# KiCad board 8851_HW-U1-VCU118_REV2-0_071417.kicad_pcb (continued)
## Routing (per net, layer and track width the routed paths; a pad name or vN(x,y) marks a point on that pad's centre or on a via; arc(x,y) is an arc through that point) (continued)
  18_SIG6 w0.087: v3(118.34,23.68) 117.69,23.03 111.46,23.03 109.86,24.63 108.42,24.63 107.94,25.11 104.4,25.11 102.13,27.39 102.13,29.1 100.71,30.51 100.47,30.51 99.81,29.85 99.57,29.85 99.21,30.21 99.21,30.45 99.87,31.11 99.87,31.35 99.72,31.51 99.72,32.65 99.15,33.22 99.15,57.14 99.44,57.42 99.85,57.42 100.12,57.69 100.12,57.69 100.13,57.71 100.13,58.12 100.42,58.41 100.83,58.41 101.12,58.7 101.12,60.09 101.41,60.38 101.82,60.38 102.1,60.67 102.1,62.06 102.39,62.35 103.78,62.35 104.07,62.63 104.07,63.04 104.36,63.33 104.77,63.33 105.06,63.62 105.06,64.03 106.14,65.11 106.14,68 105.94,68.2 105.94,69 105.72,69.22 105.38,69.22 105.16,69.45 105.16,71.1 v2(104.56,71.7)
  BOTTOM w0.15: 228.23,79.83 v3(228.23,78.62)
PMOD1_2: length 13.4
  05_SIG2 w0.17: v3(226.96,88.02) 227.47,88.02 227.64,87.86 227.64,83.92 227.91,83.65 229.73,83.65 229.93,83.85 229.93,84.91 230.19,85.17 232.3,85.17
  BOTTOM w0.15: v3(226.96,88.02) 227.59,87.39 227.59,85.58
PMOD1_2_LS: length 254.4
  TOP w0.15: 106.04,71.2 v2(105.55,71.7)
  14_SIG4 w0.087: v3(117.32,25.42) 118.28,25.42 118.32,25.46 118.39,25.53 118.4,25.53 118.7,25.82 119.3,25.82 120.22,26.75 127.42,26.75 129.51,24.66 131.03,24.66 135.43,20.25 138.39,20.25 142.81,15.83 155.01,15.83 157.6,18.43 159.72,18.43 160.51,17.64 163.22,17.64 167.67,22.09 168.42,22.09 168.67,21.85 170.56,21.85 171.36,22.65 174.32,22.65 175.97,24.3 175.97,27.57 179.24,30.84 179.24,33.3 179.24,33.3 179.24,42.32 179.24,42.32 179.24,42.66 177.6,44.3 177.6,49.07 178.47,49.95 178.47,51.26 177.44,52.3 177.44,58.62 178.88,60.06 178.88,60.89 179.62,61.64 179.62,63.4 181.29,65.07 181.29,66.44 192.32,77.48 194.41,77.48 194.58,77.3 194.58,76.15 194.72,76.02 195.19,76.02 195.32,76.14 195.32,77.62 195.44,77.74 195.81,77.74 195.93,77.62 195.93,76.14 196.05,76.02 196.42,76.02 196.54,76.14 196.54,77.62 196.66,77.74 197.03,77.74 197.15,77.62 197.15,76.14 197.28,76.02 197.64,76.02 197.77,76.14 197.77,77.62 197.89,77.74 198.26,77.74 198.38,77.62 198.38,76.14 198.5,76.02 207.69,76.02 208.97,77.3 211.63,77.3 211.76,77.43 211.76,77.5 212.05,77.79 212.45,77.79 212.94,77.3 213.6,77.3 213.96,76.95 215.43,76.95 216.11,77.63 226.45,77.63 v3(226.96,77.12)
  18_SIG6 w0.087: v3(117.32,25.42) 116.36,26.37 112.21,26.37 111.82,26.76 111.82,27 112.29,27.46 112.29,28.34 112.17,28.46 111.71,28.46 111.51,28.26 111.51,27.88 111.22,27.6 110.98,27.6 110.62,27.96 110.62,28.2 110.99,28.57 110.99,28.83 110.63,29.19 110.41,29.19 110.09,28.87 109.78,28.87 109.36,29.29 109.36,29.47 109.56,29.66 109.92,29.66 110.09,29.83 110.09,30.18 109.91,30.36 109.32,30.36 109.17,30.51 109.17,30.83 109.35,31.01 109.9,31.01 110.07,31.18 110.07,31.46 109.61,31.92 109.38,31.92 108.85,31.39 108.55,31.39 108.37,31.56 108.37,31.89 109.18,32.69 109.18,33.75 109,33.92 108.76,33.92 108.62,33.78 108.38,33.78 108.14,34.02 108.14,34.26 108.28,34.4 108.28,34.64 108.04,34.88 107.8,34.88 107.66,34.74 107.42,34.74 107.18,34.98 107.18,35.22 107.32,35.37 107.32,35.61 107.08,35.85 106.84,35.85 106.7,35.71 106.46,35.71 106.21,35.95 106.21,36.19 106.36,36.33 106.36,36.57 106.12,36.81 105.88,36.81 105.73,36.67 105.49,36.67 105.25,36.91 105.25,37.15 105.39,37.29 105.39,37.53 105.15,37.77 104.91,37.77 104.77,37.63 104.53,37.63 104.29,37.87 104.29,38.11 104.43,38.25 104.43,38.49 104.19,38.73 103.95,38.73 103.81,38.59 103.57,38.59 103.33,38.83 103.33,39.07 103.47,39.21 103.47,39.45 103.35,39.58 103.35,39.85 103.45,39.95 103.65,39.95 103.77,40.07 103.77,40.55 103.6,40.72 103.26,40.72 103.09,40.89 103.09,49.26 102.8,49.55 102.41,49.55 102.2,49.75 102.2,55.31 102.35,55.46 102.85,55.46 103.09,55.7 103.09,56.15 103.38,56.44 103.78,56.44 104.07,56.73 104.07,59.98 104.17,60.07 104.17,61.04 104.39,61.26 104.85,61.26 105.16,61.57 105.16,62.03 105.37,62.25 105.82,62.25 106.14,62.57 106.14,63.01 106.36,63.23 106.8,63.23 107.12,63.55 107.12,64.04 108.11,65.02 108.11,69.2 108.01,69.3 108.01,69.93 107.72,70.22 107.31,70.22 107.02,70.51 107.02,70.92 106.74,71.2 106.04,71.2 v2(105.55,71.7)
  BOTTOM w0.15: v3(226.96,77.12) 227.59,77.76 227.59,79.83
PMOD1_3: length 12.6
  05_SIG2 w0.17: v3(226.96,86.77) 226.96,84.44 226.72,84.2 225.99,84.2 225.82,84.03 225.82,82.87 226.02,82.67 232.3,82.67
  BOTTOM w0.15: 226.96,85.58 v3(226.96,86.77)
PMOD1_3_LS: length 257.4
  TOP w0.15: 107.02,71.2 v2(106.53,71.7)
  14_SIG4 w0.087: v3(118.97,27.06) 119.74,27.82 132.45,27.82 137.69,22.59 137.69,22.34 142.38,17.65 154.94,17.65 158,20.71 158.81,20.71 159.09,20.43 159.75,20.43 160.59,21.26 162.34,21.26 163.28,22.21 166.42,22.21 168.08,23.86 170.2,23.86 178.24,31.9 178.24,41.51 178.24,42.09 175.8,44.54 175.8,47.95 175.71,48.04 175.34,48.04 175.25,48.13 175.25,48.48 175.34,48.57 175.71,48.57 175.8,48.65 175.8,49 175.71,49.09 175.34,49.09 175.25,49.18 175.25,49.53 175.34,49.62 175.71,49.62 175.8,49.7 175.8,50.32 175.99,50.51 175.99,50.97 176.37,51.35 176.37,64.87 179.08,67.57 180.76,67.57 192.11,78.92 193.13,78.92 193.25,79.05 193.25,80.23 193.38,80.35 193.74,80.35 193.87,80.23 193.87,79.05 193.99,78.92 194.36,78.92 194.48,79.05 194.48,80.23 194.6,80.35 194.97,80.35 195.09,80.23 195.09,79.05 195.21,78.92 195.58,78.92 195.7,79.05 195.7,80.23 195.83,80.35 196.19,80.35 196.32,80.23 196.32,79.05 196.44,78.92 196.81,78.92 196.93,79.05 196.93,80.23 197.05,80.35 197.42,80.35 197.54,80.23 197.54,79.05 197.66,78.92 198.03,78.92 198.15,79.05 198.15,80.23 198.28,80.35 198.64,80.35 198.77,80.23 198.77,79.05 198.89,78.92 209.89,78.92 210.02,79.05 210.43,79.05 210.56,78.92 223.3,78.92 223.82,79.45 224.65,79.45 225.03,79.08 225.03,78.55 225.45,78.13 226.46,78.13 v3(226.96,78.62)
  18_SIG6 w0.087: v3(118.97,27.06) 118.43,26.51 117.82,26.51 117,27.33 117,28.05 116.62,28.43 114.75,28.43 112.9,30.27 112.9,32.63 112.64,32.89 112.64,36.12 112.46,36.3 112.22,36.3 111.06,35.14 110.82,35.14 110.46,35.5 110.46,35.74 111.62,36.91 111.62,37.15 111.26,37.51 111.02,37.51 109.85,36.34 109.61,36.34 109.25,36.71 109.25,36.95 110.42,38.11 110.42,38.35 110.05,38.71 109.81,38.71 108.65,37.55 108.41,37.55 108.05,37.91 108.05,38.15 109.21,39.31 109.21,39.55 108.85,39.91 108.61,39.91 107.45,38.75 107.21,38.75 106.85,39.11 106.85,39.35 108.01,40.51 108.01,40.75 107.3,41.46 105.39,41.46 105.06,41.8 105.06,51.23 104.77,51.52 103.35,51.52 103.19,51.68 103.19,54.28 103.38,54.47 105.75,54.47 106.04,54.76 106.04,61.07 106.33,61.36 106.74,61.36 107.02,61.65 107.02,62.06 107.31,62.35 109.69,62.35 109.98,62.63 109.98,70.92 109.69,71.2 107.02,71.2 v2(106.53,71.7)
  BOTTOM w0.15: 226.96,79.83 v3(226.96,78.62)
PMOD1_4:
  vias: v3(232.12,92.92) v3(232.12,92.05) v3(233,92.92) v3(233,92.05)
PMOD1_4_LS: length 257.7
  TOP w0.15: v2(106.53,70.71) 107.02,70.22
  14_SIG4 w0.087: v3(116.59,25.37) 116.62,25.37 117.31,24.68 118.78,24.68 120.37,23.08 126.6,23.08 127.1,23.58 130.7,23.58 132.03,22.25 132.03,19.5 132.48,19.04 136.32,19.04 137.37,17.99 137.37,15.68 138.13,14.93 139.03,14.93 139.27,15.17 139.27,16.11 139.44,16.28 140.61,16.28 140.85,16.04 140.85,15.2 141.14,14.91 155.91,14.91 157.02,16.02 159.82,16.02 160.45,16.65 165.12,16.65 165.86,17.39 170.47,17.39 177.11,24.03 177.11,25.57 180.23,28.69 180.23,32.63 180.23,42.26 181.18,43.21 181.18,45.2 179.99,46.38 179.99,47.58 180.23,47.81 180.23,54.16 180.65,54.59 180.65,58.72 180.89,58.96 180.89,61.06 189.93,70.1 193.1,70.1 193.23,70.22 193.23,72.58 193.35,72.71 193.72,72.71 193.84,72.58 193.84,70.22 193.96,70.1 194.33,70.1 194.45,70.22 194.45,71.98 194.61,72.13 194.94,72.13 195.06,72.01 195.06,70.22 195.19,70.1 196.16,70.1 200.88,74.83 213.41,74.83 213.53,74.95 213.53,75.26 213.65,75.38 214.02,75.38 214.14,75.26 214.14,74.95 214.26,74.83 214.63,74.83 214.75,74.95 214.75,75.37 214.88,75.49 215.24,75.49 215.37,75.37 215.37,74.95 215.49,74.83 215.74,74.83 217.54,76.62 225.18,76.62 v3(225.68,77.12)
  18_SIG6 w0.087: v3(116.59,25.37) 116.18,25.79 115.96,25.79 115.79,25.62 115.79,24.96 115.62,24.79 115.11,24.79 114.94,24.96 114.94,25.62 114.77,25.79 111.81,25.79 109.46,28.14 108.85,28.14 108.54,28.44 108.54,29.18 108.36,29.36 108.07,29.36 107.85,29.14 107.85,28.42 107.65,28.22 107.3,28.22 107.09,28.42 107.09,29.02 107.56,29.48 107.56,33.82 107.29,34.09 107.03,34.09 106.85,33.91 106.85,33.25 106.73,33.13 105.41,33.13 105.07,33.47 103.2,33.47 103.03,33.63 103.03,33.88 103.2,34.05 105.39,34.05 105.55,34.21 105.55,34.55 105.37,34.73 103.2,34.73 103.03,34.9 103.03,35.24 103.2,35.41 105.39,35.41 105.55,35.57 105.55,35.91 105.37,36.09 103.2,36.09 103.03,36.26 103.03,36.6 103.2,36.77 103.88,36.77 104.05,36.94 104.05,37.28 103.88,37.45 103.2,37.45 103.03,37.62 103.03,38.26 102.1,39.18 102.1,49.3 102,49.4 102,55.64 102.1,55.74 102.1,56.15 102.39,56.44 102.8,56.44 103.09,56.73 103.09,60.09 103.37,60.38 103.8,60.38 103.97,60.55 103.97,61.12 104.31,61.46 104.77,61.46 104.96,61.65 104.96,62.11 105.29,62.44 105.74,62.44 105.94,62.65 105.94,63.09 106.28,63.43 106.72,63.43 106.93,63.64 106.93,64.19 107.91,65.18 107.91,69.03 107.72,69.21 107.34,69.21 107.02,69.53 107.02,70.23 v2(106.53,70.71)
  BOTTOM w0.15: v3(225.68,77.12) 226.32,77.76 226.32,79.83
PMOD1_5_LS: length 254.5
  TOP w0.15: 104.07,72.19 v2(103.58,72.68)
  14_SIG4 w0.087: v3(225.68,78.62) 226.4,79.35 228.33,79.35 228.72,78.95 228.72,78.72 229.25,78.2 229.25,76.5 227.85,75.1 221.53,75.1 220.88,74.45 219.43,74.45 218.78,73.8 217.7,73.8 217.05,73.15 204.4,73.15 198.49,67.24 193.64,67.24 192.26,68.61 191.01,68.61 185.01,62.61 185.01,55.47 183.7,54.16 183.7,50.89 184.15,50.44 184.15,47.33 183.15,46.33 183.15,43.13 181.74,41.71 181.74,27.82 181.07,27.16 181.07,23.05 179.58,21.56 179.58,21.39 180.37,20.6 180.37,20.42 180.03,20.08 179.85,20.08 179.06,20.87 178.89,20.87 178.54,20.52 178.54,20.35 179.33,19.56 179.33,19.38 178.99,19.04 178.81,19.04 178.02,19.83 177.85,19.83 177.5,19.48 177.5,19.31 178.29,18.52 178.29,18.34 177.95,18 177.77,18 176.98,18.79 176.81,18.79 176.46,18.44 176.46,18.27 177.25,17.48 177.25,17.3 176.91,16.96 176.73,16.96 175.94,17.75 175.77,17.75 171.24,13.21 129.45,13.21 128.45,14.21 128.45,15.53 127.97,16 125.17,16 124,17.18 122.08,17.18 v3(116.85,22.4)
  18_SIG6 w0.087: v3(116.85,22.4) 116.77,22.48 111.13,22.48 109.52,24.08 108.2,24.08 107.71,24.57 103.74,24.57 98.17,30.14 98.17,57.14 98.45,57.42 98.86,57.42 99.15,57.71 99.15,58.12 99.44,58.41 99.85,58.41 100.13,58.7 100.13,60.13 100.37,60.37 100.41,60.37 100.42,60.38 100.83,60.38 101.12,60.67 101.12,62.06 101.41,62.35 101.82,62.35 102.1,62.63 102.1,63.04 102.39,63.33 103.78,63.33 104.07,63.62 104.07,64.03 105.19,65.14 105.61,65.14 105.94,65.48 105.94,67.07 105.74,67.27 105.34,67.27 105.06,67.55 105.06,69.06 104.96,69.16 104.96,70.93 104.71,71.18 104.36,71.18 104.07,71.47 104.07,72.19 v2(103.58,72.68)
  BOTTOM w0.15: 225.68,79.83 v3(225.68,78.62)
PMOD1_6: length 15.8
  03_SIG1 w0.17: v3(224.4,88.02) 225.04,87.38 225.04,86.58 227.64,83.97 233.6,83.97 234.8,85.17
  BOTTOM w0.15: 225.04,85.58 225.04,87.39 v3(224.4,88.02)
PMOD1_6_LS: length 254
  TOP w0.15: 105.06,72.19 v2(104.56,72.68)
  14_SIG4 w0.087: v3(119.02,25.18) 119.45,25.18 119.5,25.12 120.88,25.12 121.39,25.64 125.71,25.64 127.24,24.11 130.87,24.11 135.41,19.57 137.44,19.57 139.59,17.42 140.21,17.42 142.25,15.37 155.47,15.37 157.14,17.04 160.1,17.04 160.2,17.15 164.35,17.15 165.5,18.3 165.5,18.93 165.75,19.18 166.38,19.18 166.9,19.7 172.08,19.7 176.55,24.17 176.55,27.31 179.74,30.49 179.74,32.97 179.74,42.88 178.1,44.52 178.1,47.66 178.97,48.53 178.97,49.74 178.97,51.47 178.41,52.03 178.41,57.45 179.57,58.61 179.57,60.89 180,61.31 180.24,61.31 183.11,64.19 183.11,67.31 187.59,71.79 187.77,71.79 188.43,71.12 188.61,71.12 188.87,71.38 188.87,71.56 188.2,72.23 188.2,72.4 188.46,72.66 188.63,72.66 189.3,71.99 189.47,71.99 189.73,72.25 189.73,72.42 189.07,73.09 189.07,73.26 189.8,73.99 190.26,73.99 190.52,73.73 190.52,72.61 190.87,72.26 191.4,72.26 191.99,72.85 191.99,75.03 192.48,75.52 192.73,75.52 192.85,75.64 192.85,76.83 192.98,76.96 193.34,76.96 193.47,76.83 193.47,75.64 193.59,75.52 208.05,75.52 208.69,76.15 210.07,76.15 210.7,76.78 211.98,76.78 212.27,76.5 212.27,76.09 212.29,76.07 212.63,76.07 212.87,76.3 213.35,76.3 213.5,76.45 215.64,76.45 216.31,77.12 v3(224.4,77.12)
  18_SIG6 w0.087: v3(119.02,25.18) 118.1,25.18 117.05,24.12 114.96,24.12 113.87,25.21 111.58,25.21 109.22,27.57 105.97,27.57 105.01,28.52 105.01,29.31 105.21,29.52 106.79,29.52 107.01,29.74 107.01,30.03 106.79,30.25 105.73,30.25 105.59,30.39 105.59,30.7 105.82,30.93 106.8,30.93 106.94,31.07 106.94,31.5 106.79,31.65 105.77,31.65 105.52,31.9 105.52,32.32 105.39,32.45 104.89,32.45 104.75,32.31 104.75,30.59 104.61,30.45 104.03,30.45 103.84,30.65 103.84,31.71 103.63,31.92 103.22,31.92 103.05,31.75 103.05,31.17 102.86,30.98 102.35,30.98 102.18,31.15 102.18,32.84 102.46,33.12 102.46,38.06 101.12,39.4 101.12,57.15 101.4,57.42 101.92,57.42 102.2,57.7 102.2,60.07 102.41,60.28 102.87,60.28 103.19,60.6 103.19,61.06 103.39,61.26 103.83,61.26 104.17,61.6 104.17,62.04 104.38,62.25 104.81,62.25 105.16,62.59 105.16,63.03 105.36,63.23 105.8,63.23 106.14,63.57 106.14,64.13 107.12,65.11 107.12,68.31 107.02,68.41 107.02,68.95 106.74,69.24 106.33,69.24 106.04,69.52 106.04,70.92 105.75,71.2 105.42,71.2 105.06,71.57 105.06,72.19 v2(104.56,72.68)
  BOTTOM w0.15: 225.04,79.83 225.04,77.76 v3(224.4,77.12)
PMOD1_7_LS: length 257.6
  TOP w0.15: v2(107.52,70.71) 108.01,70.22
  14_SIG4 w0.087: v3(117.81,25.95) 118.12,25.95 118.49,26.32 119.09,26.32 120.07,27.3 131.14,27.3 133.53,24.91 134.39,24.91 142.99,16.3 154.6,16.3 157.23,18.93 159,18.93 160.88,20.8 162.63,20.8 162.99,21.17 165.14,21.17 165.34,20.97 165.84,20.97 168.16,23.3 170.29,23.3 178.74,31.75 178.74,42.41 177.1,44.05 177.1,49.28 177.98,50.15 177.98,51.03 176.87,52.13 176.87,58.76 178.37,60.25 178.37,63.39 180.54,65.56 180.54,66.51 192.3,78.27 199.03,78.27 199.16,78.15 199.16,77.33 199.25,77.24 199.62,77.24 199.77,77.38 199.77,78.15 199.89,78.27 200.26,78.27 200.38,78.15 200.38,77.33 200.5,77.21 200.87,77.21 200.99,77.33 200.99,78.15 201.12,78.27 202.23,78.27 202.6,77.91 202.6,76.83 202.91,76.52 203.34,76.52 203.47,76.64 203.47,78.06 203.59,78.19 203.96,78.19 204.08,78.06 204.08,76.64 204.2,76.52 204.6,76.52 204.72,76.64 204.72,78.18 204.85,78.31 205.21,78.31 205.34,78.18 205.34,76.64 205.46,76.52 205.83,76.52 205.95,76.64 205.95,78.18 206.07,78.31 206.44,78.31 206.56,78.18 206.56,76.64 206.68,76.52 207.11,76.52 207.53,76.93 207.53,78.08 207.84,78.39 208.14,78.39 208.17,78.42 208.58,78.42 208.61,78.39 208.94,78.39 209.48,77.85 210.25,77.85 210.57,78.17 211.73,78.17 211.84,78.28 212.66,78.28 212.77,78.17 223.95,78.17 v3(224.4,78.62)
  18_SIG6 w0.087: v3(117.81,25.95) 117.59,25.95 116.62,26.93 116.35,26.93 115.93,27.34 115.93,27.55 115.5,27.55 115.33,27.38 115.33,27.1 115.16,26.93 114.65,26.93 114.48,27.1 114.48,27.7 114.29,27.89 113.78,27.89 113.63,27.73 113.63,27.1 113.46,26.93 113.08,26.93 112.89,27.11 112.89,29.36 112.51,29.74 111.56,29.74 111.44,29.62 110.99,29.62 110.7,29.91 110.7,30.72 110.87,30.89 112.12,30.89 112.29,31.06 112.29,31.57 112.12,31.74 110.87,31.74 110.7,31.91 110.7,32.97 110.87,33.14 111.88,33.14 112.05,33.31 112.05,33.82 111.88,33.99 110.87,33.99 110.7,34.16 110.7,34.38 110.12,34.96 109.88,34.96 109.44,34.53 109.2,34.53 108.96,34.77 108.96,35.01 109.4,35.44 109.4,35.68 109.16,35.92 108.92,35.92 108.48,35.49 108.24,35.49 108,35.73 108,35.97 108.44,36.4 108.44,36.65 108.2,36.89 107.96,36.89 107.52,36.45 107.28,36.45 107.04,36.69 107.04,36.93 107.48,37.37 107.48,37.61 107.24,37.85 107,37.85 106.56,37.41 106.32,37.41 106.08,37.65 106.08,37.89 106.51,38.33 106.51,38.57 106.27,38.81 106.03,38.81 105.6,38.37 105.36,38.37 105.12,38.61 105.12,38.85 106.57,40.31 106.57,40.57 106.33,40.81 106.11,40.81 104.64,39.33 104.39,39.33 104.15,39.57 104.15,39.82 104.95,40.61 104.95,40.92 104.07,41.8 104.07,50.28 103.83,50.52 103.28,50.52 102.99,50.81 102.99,54.66 103.09,54.76 103.09,55.17 103.38,55.46 104.77,55.46 105.06,55.74 105.06,61.07 105.34,61.36 105.75,61.36 106.04,61.65 106.04,62.06 106.33,62.35 106.74,62.35 107.02,62.63 107.02,63.04 107.31,63.33 108.7,63.33 108.99,63.62 108.99,69.93 108.7,70.22 108.01,70.22 v2(107.52,70.71)
  BOTTOM w0.15: 224.4,79.83 v3(224.4,78.62)
POR_OVERRIDE_PIN: length 163.2
  TOP w0.15: 119.82,53.49 v2(120.31,52.99)
  07_SIG3 w0.17: 195.12,17.8 195.12,18.18 190.88,22.43 173.62,22.43 170.75,19.55 167,19.55 166.5,19.05 166.5,17.84 165.83,17.18 159.4,17.18 159.12,16.89 158.08,16.89 157.53,17.44 157.53,17.84 157.23,18.13 152.42,18.13 151.72,18.83 144.7,18.83 144.43,18.55 141.35,18.55 141.1,18.8 132.43,18.8 129.23,15.6 128.77,15.6 128.12,16.25 128.12,17.55 127.12,18.55 124.19,18.55 v3(123.99,18.76)
  16_SIG5 w0.087: v3(123.99,18.76) 120.57,18.76 120.1,19.23 120.1,20.81 120.7,21.41 120.7,38.35 118.84,40.21 118.84,52.27 119.09,52.52 119.46,52.52 119.94,52.99 v2(120.31,52.99)
  BOTTOM w0.15: v2(120.31,52.99) 119.86,53.45 119.86,54.28 120.06,54.47 120.57,54.47 120.8,54.7 120.8,55.2 121.06,55.46 122.47,55.46 122.78,55.15 122.78,54.79 123.09,54.47 124.45,54.47 124.74,54.18 124.74,53.72 124.98,53.49 125.44,53.49 125.73,53.2 125.73,52.69 125.91,52.5 126.48,52.5 126.71,52.28 126.71,51.78 126.97,51.52 129.37,51.52 129.66,51.22 129.66,50.83 129.96,50.53 137.3,50.53 137.54,50.3 137.54,49.76 137.75,49.55 138.3,49.55 138.52,49.33 138.52,47.83 138.77,47.58 139.39,47.58 147.12,39.85 147.12,38.65 147.47,38.3 R116.1
PUDC_B_PIN: length 52.2
  TOP w0.15: 116.87,53.49 v2(117.36,52.99) ; 114.95,31.69 v3(114.25,31.69)
  BOTTOM w0.111: 125.79,40.68 125.82,40.72 125.82,41.73 125.79,41.77
  BOTTOM w0.15: v2(117.36,52.99) 116.43,52.06 116.43,44.95 116.75,44.63 117.59,44.63 117.84,44.38 117.84,43.81 118.04,43.61 118.57,43.61 118.85,43.89 118.85,44.42 119.06,44.63 119.54,44.63 119.81,44.35 119.81,43.82 120.01,43.63 120.54,43.63 120.82,43.91 120.82,44.34 121.11,44.64 121.61,44.64 121.75,44.78 121.75,45.42 121.95,45.62 122.57,45.62 122.78,45.42 122.78,44.83 122.99,44.61 123.46,44.61 123.74,44.33 123.74,43.87 123.96,43.64 125.54,43.64 125.74,43.45 125.74,41.82 125.79,41.77 ; 125.79,40.68 125.14,40.03 124.23,40.03 119.58,35.39 119.58,33.21 118.49,32.12 118.49,30.56 118.11,30.18 118.11,27.94 117.22,27.05 116.08,27.05 115.62,27.5 115.62,31.53 115.47,31.69 v3(114.25,31.69)
QSFP1_IIC_SCL: length 156.7
  TOP w0.138: 48.69,24.24 v3(47.3,24.24)
  03_SIG1 w0.17: v3(47.3,24.24) 47.03,24.24 45.7,25.57 43.45,25.57 43.02,26 43.02,26.24 43.27,26.49 43.27,26.73 43.03,26.97 42.79,26.97 42.54,26.72 42.3,26.72 42.06,26.96 42.06,27.2 42.31,27.45 42.31,27.69 42.07,27.93 41.83,27.93 41.58,27.68 41.34,27.68 41.1,27.93 41.1,28.17 41.35,28.41 41.35,28.65 41.1,28.9 40.86,28.9 40.62,28.65 40.38,28.65 36.99,32.03 36.99,34.5 33.5,37.99 33.5,43.5 32.16,44.84 32.16,65.5 32.61,65.94 32.61,68.79 30.64,70.76 30.64,86.07 37.99,93.42 37.99,107.25 36.23,109.01 36.23,114.41 35.59,115.05 35.59,125.66 37.27,127.35 43.05,127.35 44.2,128.5 44.2,130.8 43.12,131.88 43.12,141.27 44.35,142.5 44.35,143.12 44.56,143.34 47.09,143.34 48.3,144.55 49.63,144.55 50.21,143.97 50.21,143 50.04,142.83 49.12,142.83 48.78,143.17 v3(48.78,143.75)
  BOTTOM w0.15: 50.09,143.59 48.94,143.59 v3(48.78,143.75) 48.35,143.75 47.97,143.37 R608.2
QSFP1_IIC_SDA: length 155.9
  TOP w0.138: v3(46.75,23.6) 46.9,23.46 48.69,23.46
  03_SIG1 w0.17: v3(51.3,143.07) 50.75,143.61 50.75,144.2 49.85,145.11 48.09,145.11 46.86,143.88 44.08,143.88 43.05,142.85 43.05,142 42.58,141.53 42.58,131.65 43.66,130.57 43.66,128.86 42.69,127.89 37.05,127.89 35.05,125.89 35.05,114.83 35.69,114.18 35.69,108.79 37.44,107.03 37.44,93.65 30.09,86.3 30.09,70.53 32.06,68.56 32.06,66.17 31.62,65.72 31.62,44.61 32.95,43.28 32.95,37.74 36.44,34.24 36.44,31.81 43.23,25.02 45.48,25.02 46.75,23.75 v3(46.75,23.6)
  BOTTOM w0.15: R607.2 47.87,142.24 48.58,142.95 50.09,142.95 51.18,142.95 v3(51.3,143.07)
QSFP1_INTL: length 16.8
  TOP w0.138: v3(53.4,25.53) 53.4,25.25 52.79,24.64 51.16,24.64
  BOTTOM w0.15: 58.81,27.16 58.81,26.01 60.05,24.78 60.05,23.42 59.68,23.05 57.65,23.05 57.46,22.86 57.46,22.45 57.07,22.45 55.08,24.45 55.08,25.77 54.79,26.05 53.92,26.05 v3(53.4,25.53)
QSFP1_INTL_LS: length 95.2
  TOP w0.15: v2(127.2,61.85) 126.71,62.35
  14_SIG4 w0.087: v2(124.25,41.18) 124.73,41.67 124.73,43.64 124.85,43.76 124.85,45.5 125.06,45.7 125.53,45.7 125.72,45.89 125.72,46.52 125.83,46.64 125.83,60.05 126.05,60.28 126.5,60.28 126.81,60.58 126.81,61.46 v2(127.2,61.85)
  BOTTOM w0.15: 58.81,32.91 58.8,32.9 58.8,31.83 59.67,30.97 79.61,30.97 83.1,34.46 83.1,36.03 86.22,39.15 121.54,39.15 123.04,40.65 123.4,40.65 123.93,41.18 v2(124.25,41.18)
QSFP1_LPMODE_LS: length 93.6
  TOP w0.15: v2(126.22,61.85) 125.73,62.35
  14_SIG4 w0.087: v2(123.26,41.18) 123.76,41.68 123.76,43.35 124.05,43.64 124.41,43.64 124.66,43.88 124.66,45.58 124.74,45.67 124.74,46.37 124.98,46.6 125.46,46.6 125.66,46.8 125.66,60.16 125.97,60.48 126.42,60.48 126.61,60.67 126.61,61.46 v2(126.22,61.85)
  BOTTOM w0.15: 59.45,32.91 59.45,31.9 59.95,31.4 79.07,31.4 82.34,34.67 82.34,36.11 85.91,39.68 121.51,39.68 123.01,41.18 v2(123.26,41.18)
QSFP1_MODPRSL: length 16
  TOP w0.138: 51.16,23.85 52.25,23.85 52.52,24.13 52.83,24.13 53.73,25.03 53.9,25.03 v3(54.4,25.53)
  05_SIG2 w0.17: v3(54.4,25.53) 55.42,26.55 57.9,26.55 58.25,26.2 v3(58.25,25.63)
  BOTTOM w0.15: v3(58.25,25.63) 58.17,25.71 58.17,27.16 ; v3(54.4,25.53) 54.4,24.54 57.01,21.93 57.01,21.78 57.46,21.33
QSFP1_MODPRSL_LS: length 103.3
  TOP w0.15: 123.76,62.35 v2(124.25,61.85)
  TOP w0.375: v2(113.42,56.93) 113.91,57.42 U1.AL21
  14_SIG4 w0.087: v2(124.25,61.85) 124.25,61.66 123.86,61.26 123.86,60.38 123.66,60.18 123.66,50.69 123.5,50.53 123.06,50.53 122.78,50.24 122.78,49.76 122.56,49.54 122.08,49.54 122.06,49.52 122.05,49.52 121.78,49.25 121.78,45.9 121.5,45.62 121.09,45.62 120.8,45.34 120.8,43.84 120.6,43.64 120.11,43.64 119.82,43.36 119.82,42.66 v2(120.31,42.17)
  BOTTOM w0.15: 58.17,32.91 58.17,31.77 59.36,30.58 87.09,30.58 95.13,38.62 121.78,38.62 123.86,40.69 124.45,40.69 124.75,40.99 124.75,41.36 124.43,41.67 123,41.67 122.79,41.89 122.79,42.41 122.55,42.65 121.98,42.65 121.8,42.47 121.8,41.84 121.65,41.68 120.8,41.68 v2(120.31,42.17)
QSFP1_MODSELL: length 13.2
  TOP w0.138: 48.69,26.61 v3(47.3,26.61)
  03_SIG1 w0.17: v3(47.3,26.61) 53.41,26.61 53.96,26.05 56.23,26.05 v3(56.89,25.39)
  BOTTOM w0.15: 56.89,27.16 v3(56.89,25.39)
QSFP1_MODSELL_LS: length 97.7
  TOP w0.15: v2(125.23,61.85) 124.74,62.35
  14_SIG4 w0.087: v2(125.23,61.85) 124.84,61.46 124.84,60.41 124.64,60.21 124.64,49.73 124.46,49.54 124.02,49.54 123.75,49.27 123.75,46.72 123.67,46.63 123.67,45.82 123.66,45.82 123.47,45.62 123.08,45.62 122.78,45.32 122.78,45.28 122.76,45.27 122.76,43.89 122.5,43.63 122.49,43.63 122.48,43.64 122.08,43.64 121.8,43.35 121.8,42.65 v2(122.28,42.17)
  BOTTOM w0.15: 56.89,32.91 56.89,34.52 57.04,34.67 R1190.1 57.04,36.45 57.5,36.92 62.38,36.92 65.54,33.76 80.15,33.76 81.59,35.2 81.59,36.33 85.39,40.13 121.02,40.13 121.81,40.92 121.81,41.4 122.28,41.86 v2(122.28,42.17)
QSFP1_RECCLK_C_N: length 2.2
  TOP w0.102: 81.08,21.76 80.56,21.76 80.38,21.93 79.44,21.93 79.12,21.61 C28.2
QSFP1_RECCLK_C_P: length 2.2
  TOP w0.102: 81.08,22.25 80.47,22.25 80.38,22.16 79.6,22.16 79.12,22.64 C25.2
QSFP1_RECCLK_N: length 96.3
  TOP w0.102: C28.1 78.06,21.62 v3(76.25,21.62) ; 124.74,63.33 v2(125.23,62.84)
  16_SIG5 w0.075: 115.69,40.82 115.69,40.84 115.65,40.88 115.65,41.32 116.01,41.68 116.01,54.96 116.49,55.44 116.49,62.59 117.13,63.23 124.84,63.23 v2(125.23,62.84)
  16_SIG5 w0.087: v3(76.25,21.62) 76.59,21.96 77.04,21.96 77.3,21.69 77.3,21.06 80.09,18.27 82.41,18.27 82.97,17.72 86.57,17.72 87,18.15 90.44,18.15 91.5,17.1 99.39,17.1 99.76,16.73 103.06,16.73 104.78,18.44 108.74,18.44 114,23.7 114,29.51 115.3,30.82 115.3,32.97 114.26,34.01 114.26,36.47 115.69,37.9 115.69,40.82
QSFP1_RECCLK_P: length 96.4
  TOP w0.102: C25.1 78.06,22.6 v3(76.25,22.6) ; v2(125.23,63.82) 124.74,64.31
  16_SIG5 w0.075: 115.42,40.82 115.42,40.84 115.46,40.88 115.46,41.4 115.82,41.76 115.82,55.04 116.29,55.52 116.29,62.67 117.05,63.43 125.15,63.43 125.23,63.51 v2(125.23,63.82)
  16_SIG5 w0.087: v3(76.25,22.6) 76.61,22.24 77.15,22.24 77.58,21.81 77.58,21.17 80.2,18.55 82.53,18.55 83.08,17.99 86.45,17.99 86.89,18.43 90.56,18.43 91.61,17.38 99.5,17.38 99.88,17 102.95,17 104.67,18.72 108.63,18.72 113.72,23.81 113.72,29.63 115.03,30.93 115.03,32.85 113.99,33.89 113.99,36.59 115.42,38.02 115.42,40.82
